# Altium PCB QCLogic Rev A.PcbDoc (part 1 of 3) (continued)
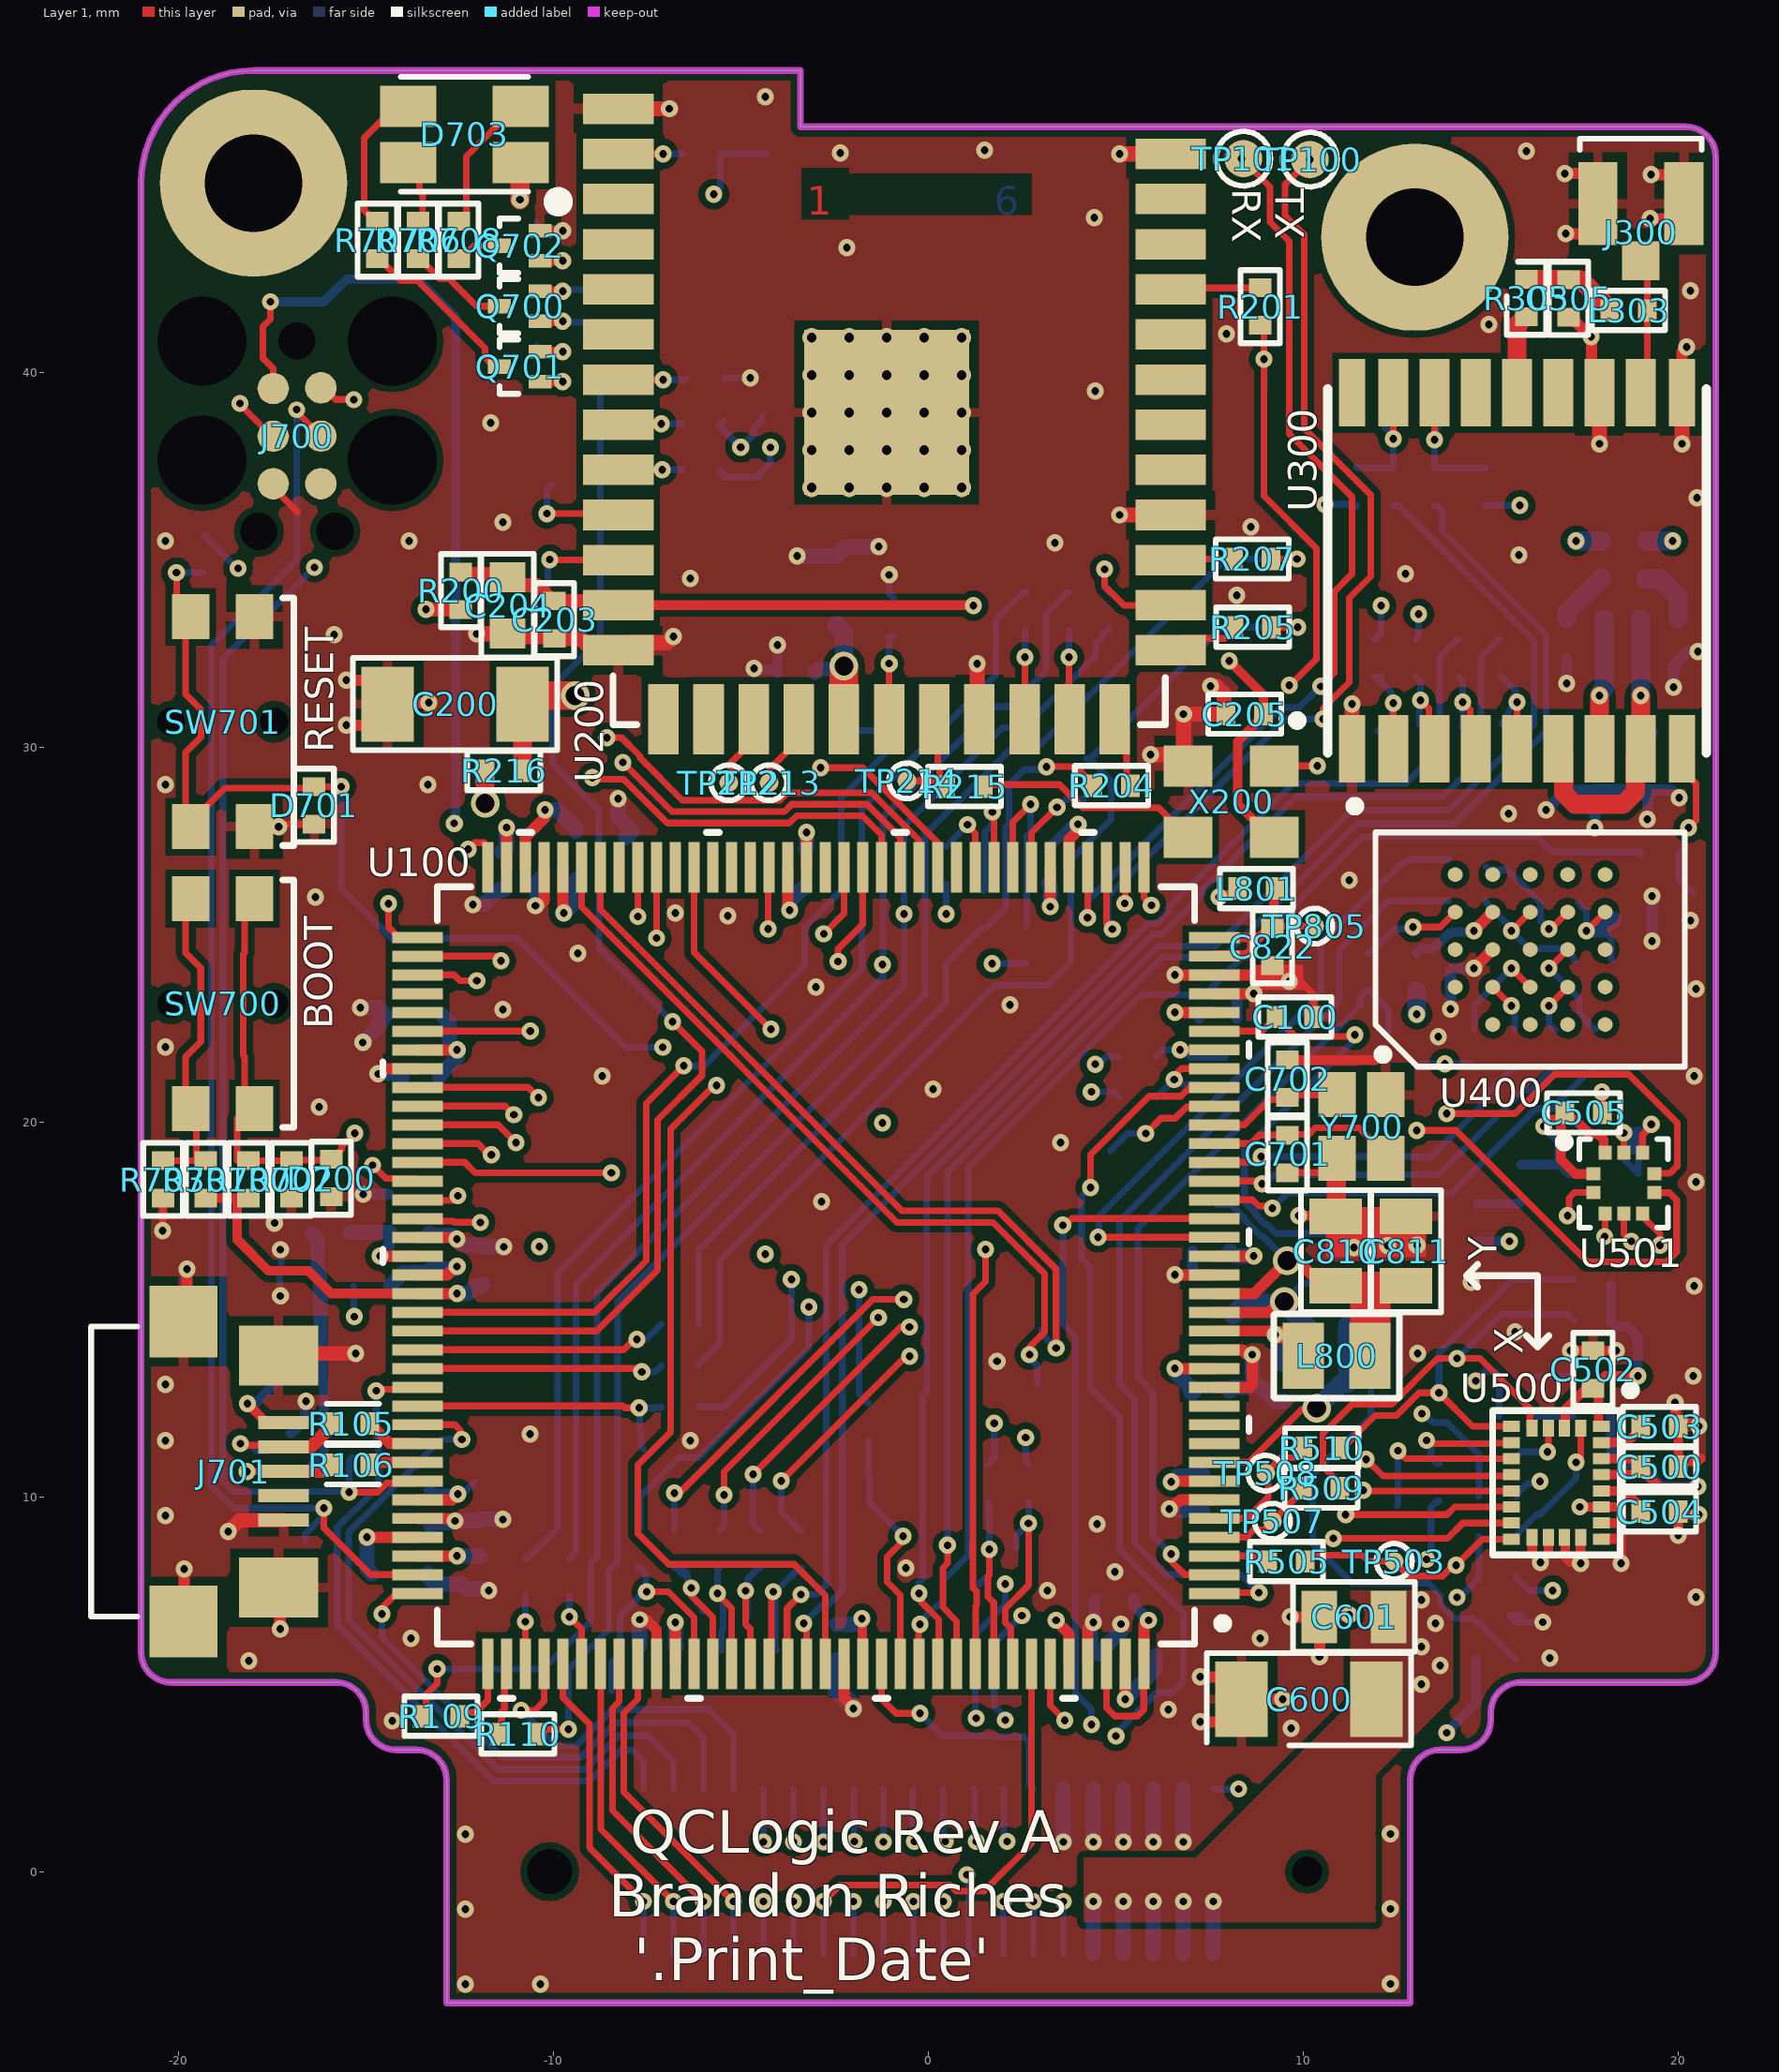
[diagram p0: Layer 1 view]
## Components (designator, comment, footprint, x,y, rotation, side; value= is the part's Value field where it differs from the comment) (continued)
R215 "0R0" "SMD RES 0402" 0.964,28.949 r180 top
R216 "0R0" "SMD RES 0402" -11.325,29.375 r0 top
R300 "0R0" "SMD RES 0402" 17.975,35 r270 bottom
R302 "NNP" "SMD RES 0402" 19.125,35 r270 bottom
R303 "2.2k" "SMD RES 0402" 14.851,36.95 r90 bottom
R304 "2.2k" "SMD RES 0402" 11.425,36.95 r90 bottom
R305 "10" "SMD RES 0402" 15.95,41.975 r90 top
R400 "10K" "SMD RES 0402" 17.725,24.325 r180 bottom
R401 "10K" "SMD RES 0402" 16.825,25.85 r180 bottom
R402 "0R0" "SMD RES 0402" 15.634,21.95 r90 bottom
R403 "0R0" "SMD RES 0402" 12.85,24 r270 bottom
R404 "0R0" "SMD RES 0402" 17.8,21.975 r90 bottom
R405 "0R0" "SMD RES 0402" 16.717,21.95 r90 bottom
R406 "0R0" "SMD RES 0402" 14.375,25.9 r0 bottom
R407 "0R0" "SMD RES 0402" 14.375,27 r0 bottom
R408 "0R0" "SMD RES 0402" 11.725,24 r90 bottom
R409 "0R0" "SMD RES 0402" 14.55,21.95 r90 bottom
R500 "0R0" "SMD RES 0402" 15.725,13.225 r0 bottom
R501 "0R0" "SMD RES 0402" 15.725,12.15 r0 bottom
R502 "0R0" "SMD RES 0402" -3.383,8.611 r90 bottom
R503 "0R0" "SMD RES 0402" -4.473,8.611 r90 bottom
R504 "0R0" "SMD RES 0402" -5.564,8.611 r90 bottom
R505 "0R0" "SMD RES 0402" 9.55,8.275 r0 top
R506 "0R0" "SMD RES 0402" -6.654,8.611 r90 bottom
R507 "0R0" "SMD RES 0402" 15.189,8.947 r0 bottom
R508 "0R0" "SMD RES 0402" 15.189,11.076 r0 bottom
R509 "0R0" "SMD RES 0402" 10.476,10.237 r0 top
R510 "0R0" "SMD RES 0402" 10.493,11.301 r0 top
R511 "0R0" "SMD RES 0402" 1.577,10.36 r90 bottom
R512 "0R0" "SMD RES 0402" 2.677,10.36 r90 bottom
R513 "100k" "SMD RES 0402" 17.707,14.707 r0 bottom
R514 "100k" "SMD RES 0402" 17.707,15.796 r0 bottom
R515 "100k" "SMD RES 0402" 13.618,10.389 r270 bottom
R516 "100k" "SMD RES 0402" 12.504,9.271 r270 bottom
R517 "2.2k" "SMD RES 0402" 15.189,7.882 r180 bottom
R518 "2.2k" "SMD RES 0402" 15.189,10.012 r180 bottom
R519 "0R0" "SMD RES 0402" -7.744,8.611 r90 bottom
R520 "0R0" "SMD RES 0402" -1.6,12 r90 bottom
R521 "0R0" "SMD RES 0402" -6.625,12.4 r0 bottom
R522 "0R0" "SMD RES 0402" 5.591,20.653 r180 bottom
R523 "0R0" "SMD RES 0402" 5.591,21.742 r180 bottom
R524 "0R0" "SMD RES 0402" 14.636,17.323 r90 bottom
R700 "NNP" "SMD RES 0402" -18.134,18.466 r90 top
R701 "0R0" "SMD RES 0402" -19.277,18.466 r90 top
R702 "100k" "SMD RES 0402" -16.992,18.466 r270 top
R703 "NNP" "SMD RES 0402" -20.419,18.466 r270 top
R704 "0R0" "SMD RES 0402" -19.327,35.154 r90 bottom
R705 "0R0" "SMD RES 0402" -16.746,13.248 r0 bottom
R706 "39" "SMD RES 0402" -13.612,43.525 r90 top
R707 "39" "SMD RES 0402" -14.7,43.525 r90 top
R708 "220" "SMD RES 0402" -12.525,43.525 r90 top
R709 "100k" "SMD RES 0402" -9.05,41.8 r90 bottom
R710 "100k" "SMD RES 0402" -10.45,40.2 r90 bottom
R711 "100k" "SMD RES 0402" -10.45,43.5 r90 bottom
R800 "0R0" "SMD RES 0402" 10.7,14.575 r180 bottom
R801 "0R0" "SMD RES 0402" -15.92,17.037 r180 bottom
R802 "0R0" "SMD RES 0402" -14.831,15.615 r180 bottom
SW700 "436331045822" "BUTTON 436331045822" -18.824,23.158 r270 top
SW701 "436331045822" "BUTTON 436331045822" -18.824,30.676 r270 top
TP100 "TESTPOINT SMD" "TESTPOINT 1mm DIA" 10.175,45.675 r90 top
TP101 "TESTPOINT SMD" "TESTPOINT 1mm DIA" 8.4,45.7 r90 top
TP200 "TESTPOINT SMD" "TESTPOINT 0.5mm DIA" -4.325,45.825 r270 bottom
TP201 "TESTPOINT SMD" "TESTPOINT 0.5mm DIA" 8.884,35.02 r270 bottom
TP202 "TESTPOINT SMD" "TESTPOINT 0.5mm DIA" 0.917,31.041 r270 bottom
TP203 "TESTPOINT SMD" "TESTPOINT 0.5mm DIA" -2.05,30.475 r270 bottom
TP204 "TESTPOINT SMD" "TESTPOINT 0.5mm DIA" -8.75,38.696 r270 bottom
TP205 "TESTPOINT SMD" "TESTPOINT 0.5mm DIA" 8.959,39.437 r270 bottom
TP206 "TESTPOINT SMD" "TESTPOINT 0.5mm DIA" 2.575,31.486 r270 bottom
TP207 "TESTPOINT SMD" "TESTPOINT 0.5mm DIA" 2.55,29.4 r270 bottom
TP208 "TESTPOINT SMD" "TESTPOINT 0.5mm DIA" 8.838,33.2 r270 bottom
TP209 "TESTPOINT SMD" "TESTPOINT 0.5mm DIA" 3.75,31.718 r270 bottom
TP210 "TESTPOINT SMD" "TESTPOINT 0.5mm DIA" -4.525,37.2 r270 bottom
TP211 "TESTPOINT SMD" "TESTPOINT 0.5mm DIA" -4.425,38.825 r270 bottom
TP212 "TESTPOINT SMD" "TESTPOINT 0.5mm DIA" -5.325,29.05 r270 top
TP213 "TESTPOINT SMD" "TESTPOINT 0.5mm DIA" -4.25,29.05 r270 top
TP214 "TESTPOINT SMD" "TESTPOINT 0.5mm DIA" -0.575,29.1 r270 top
TP215 "TESTPOINT SMD" "TESTPOINT 0.5mm DIA" -10.125,36.925 r90 bottom
TP216 "TESTPOINT SMD" "TESTPOINT 0.5mm DIA" -10.15,34.275 r90 bottom
TP217 "TESTPOINT SMD" "TESTPOINT 1mm DIA" -4.55,42.15 r90 bottom
TP300 "TESTPOINT SMD" "TESTPOINT 0.5mm DIA" 13.65,39.125 r90 bottom
TP301 "TESTPOINT SMD" "TESTPOINT 0.5mm DIA" 12.175,39.075 r90 bottom
TP302 "TESTPOINT SMD" "TESTPOINT 0.5mm DIA" 12,30.425 r90 bottom
TP303 "TESTPOINT SMD" "TESTPOINT 0.5mm DIA" 13.1,30.6 r90 bottom
TP304 "TESTPOINT SMD" "TESTPOINT 0.5mm DIA" 15.3,30.625 r90 bottom
TP305 "TESTPOINT SMD" "TESTPOINT 0.5mm DIA" 14.225,30.55 r90 bottom
TP306 "TESTPOINT SMD" "TESTPOINT 0.5mm DIA" 20.4,26.1 r90 bottom
TP307 "TESTPOINT SMD" "TESTPOINT 1mm DIA" 18.775,39.45 r90 bottom
TP400 "TESTPOINT SMD" "TESTPOINT 0.5mm DIA" 13.734,19.403 r90 bottom
TP401 "TESTPOINT SMD" "TESTPOINT 0.5mm DIA" 18.975,21.45 r90 bottom
TP402 "TESTPOINT SMD" "TESTPOINT 0.5mm DIA" 15.235,20.219 r180 bottom
TP403 "TESTPOINT SMD" "TESTPOINT 0.5mm DIA" 12.621,25.9 r180 bottom
TP404 "TESTPOINT SMD" "TESTPOINT 0.5mm DIA" 12.725,26.925 r180 bottom
TP405 "TESTPOINT SMD" "TESTPOINT 0.5mm DIA" 12.275,22.425 r180 bottom
TP406 "TESTPOINT SMD" "TESTPOINT 0.5mm DIA" 13.038,21.45 r180 bottom
TP407 "TESTPOINT SMD" "TESTPOINT 0.5mm DIA" 19.25,22.725 r180 bottom
TP500 "TESTPOINT SMD" "TESTPOINT 0.5mm DIA" -4.05,5.925 r0 bottom
TP501 "TESTPOINT SMD" "TESTPOINT 0.5mm DIA" -4.85,6.775 r0 bottom
TP502 "TESTPOINT SMD" "TESTPOINT 0.5mm DIA" -5.525,5.9 r0 bottom
TP503 "TESTPOINT SMD" "TESTPOINT 0.5mm DIA" 12.423,8.28 r180 top
TP504 "TESTPOINT SMD" "TESTPOINT 0.5mm DIA" -6.025,6.95 r0 bottom
TP505 "TESTPOINT SMD" "TESTPOINT 0.5mm DIA" 3.025,14.475 r0 bottom
TP506 "TESTPOINT SMD" "TESTPOINT 0.5mm DIA" 2.9,13 r0 bottom
TP507 "TESTPOINT SMD" "TESTPOINT 0.5mm DIA" 9.175,9.35 r180 top
TP508 "TESTPOINT SMD" "TESTPOINT 0.5mm DIA" 8.999,10.633 r180 top
TP509 "TESTPOINT SMD" "TESTPOINT 0.5mm DIA" 1.358,7.675 r0 bottom
TP510 "TESTPOINT SMD" "TESTPOINT 0.5mm DIA" 2.35,8.65 r0 bottom
TP511 "TESTPOINT SMD" "TESTPOINT 1mm DIA" -19.925,6.15 r0 bottom
TP512 "TESTPOINT SMD" "TESTPOINT 0.5mm DIA" -8.45,4.825 r0 bottom
TP513 "TESTPOINT SMD" "TESTPOINT 0.5mm DIA" -1.575,10.238 r0 bottom
TP514 "TESTPOINT SMD" "TESTPOINT 0.5mm DIA" -7.6,11.275 r0 bottom
TP515 "TESTPOINT SMD" "TESTPOINT 0.5mm DIA" 7.275,20.95 r0 bottom
TP516 "TESTPOINT SMD" "TESTPOINT 0.5mm DIA" 7.925,21.725 r0 bottom
TP517 "TESTPOINT SMD" "TESTPOINT 0.5mm DIA" -6.175,29.15 r0 bottom
TP700 "TESTPOINT SMD" "TESTPOINT 1mm DIA" 10.65,15.85 r90 bottom
TP701 "TESTPOINT SMD" "TESTPOINT 1mm DIA" -15.375,11.05 r0 bottom
TP702 "TESTPOINT SMD" "TESTPOINT 1mm DIA" 4.85,19.225 r90 bottom
TP703 "TESTPOINT SMD" "TESTPOINT 1mm DIA" -16.625,8.825 r0 bottom
TP704 "TESTPOINT SMD" "TESTPOINT 1mm DIA" 13.25,15.226 r90 bottom
TP800 "TESTPOINT SMD" "TESTPOINT 1mm DIA" -10.075,18.575 r90 bottom
TP801 "TESTPOINT SMD" "TESTPOINT 0.5mm DIA" 11.175,13.019 r90 bottom
TP802 "TESTPOINT SMD" "TESTPOINT 0.5mm DIA" 7.675,17.8 r90 bottom
TP803 "TESTPOINT SMD" "TESTPOINT 0.5mm DIA" -12.1,10.4 r90 bottom
TP804 "TESTPOINT SMD" "TESTPOINT 0.5mm DIA" -16.216,14.613 r90 bottom
TP805 "TESTPOINT SMD" "TESTPOINT 0.5mm DIA" 10.3,25.225 r90 top
U100 "STM32H735ZGT6" "LQFP-144 20x20" -3,16.175 r90 top locked
U200 "ATWIN3400" ATWINC3400-MR210CA -1.111,38.927 r90 top locked
U300 "MAX-M8C" MAX-M8 15.7,34.7 r270 top locked
U400 "S25FL256SAGBHV200" "TFBGA-24 8x6" 16.05,24.6 r90 top
U500 "LSM9DS1" LGA-24 16.75,10.375 r270 top
U501 "LPS22HH" LGA-10 18.545,18.364 r0 top
X200 "32.768KHz XO" "XTAL OSC 32.768K CMOS" 8.08,28.55 r180 top
Y700 "JXS22-WA 20MHz" "XTAL JXS22-WA" 11.55,19.875 r270 top

## Footprints (in the part's own frame and the unit in brackets; to place one, negate y for a bottom-side part, rotate by r counter-clockwise, add the part's x,y. Pads: shape width x height; smd on the part's side, far side on the other; paste and mask are expansions set on the pad)
ATWINC3400-MR210CA [mm]
  rect 0.813x1.88 smd: 1(8.103,7.159) 2(6.899,7.159) 3(5.695,7.159) 4(4.491,7.159) 5(3.287,7.159) 6(2.083,7.159) 7(0.879,7.159) 8(-0.325,7.159) 9(-1.529,7.159) 10(-2.733,7.159) 11(-3.937,7.159) 12(-5.141,7.159) 13(-6.345,7.159) 25(-6.345,-7.573) 26(-5.141,-7.573) 27(-3.937,-7.573) 28(-2.733,-7.573) 29(-1.529,-7.573) 30(-0.325,-7.573) 31(0.879,-7.573) 32(2.083,-7.573) 33(3.287,-7.573) 34(4.491,-7.573) 35(5.695,-7.573) 36(6.899,-7.573)
  rect 1.88x0.813 smd: 14(-8.184,5.955) 15(-8.184,4.751) 16(-8.184,3.547) 17(-8.184,2.343) 18(-8.184,1.139) 19(-8.184,-0.065) 20(-8.184,-1.269) 21(-8.184,-2.473) 22(-8.184,-3.677) 23(-8.184,-4.881) 24(-8.184,-6.085)
  rect 4.4x4.4 smd: 37(0,0)
  silkscreen extent -8.33,-7.43 -7.02,7.3, body extent -8.33,-7.43 14.1,7.3, height 2.19
"BUTTON 436331045822" [mm]
  rect 1.2x1 smd: 1(2.8,0.85) 2(2.8,-0.85) 3(-2.8,0.85) 4(-2.8,-0.85)
  round 0.5 hole 0.75 unplated: G(0,1.375) G(0,-1.375)
  silkscreen extent -3.3,1.6 3.3,1.9, body extent -3.2,-2.75 3.2,1.75, height 1.65
"CONN B2B RECPT 40POS SMD GOLD" [mm] "10144517"
  rect 0.5x2 smd: 1(7.6,2.2) 2(7.6,-2.2) 3(6.8,2.2) 4(6.8,-2.2) 5(6,2.2) 6(6,-2.2) 7(5.2,2.2) 8(5.2,-2.2) 9(4.4,2.2) 10(4.4,-2.2) 11(3.6,2.2) 12(3.6,-2.2) 13(2.8,2.2) 14(2.8,-2.2) 15(2,2.2) 16(2,-2.2) 17(1.2,2.2) 18(1.2,-2.2) 19(0.4,2.2) 20(0.4,-2.2) 21(-0.4,2.2) 22(-0.4,-2.2) 23(-1.2,2.2) 24(-1.2,-2.2) 25(-2,2.2) 26(-2,-2.2) 27(-2.8,2.2) 28(-2.8,-2.2) 29(-3.6,2.2) 30(-3.6,-2.2) 31(-4.4,2.2) 32(-4.4,-2.2) 33(-5.2,2.2) 34(-5.2,-2.2) 35(-6,2.2) 36(-6,-2.2) 37(-6.8,2.2) 38(-6.8,-2.2) 39(-7.6,2.2) 40(-7.6,-2.2)
  round 0.5 hole 1.2 unplated: M1(-10.1,0)
  round 0.5 hole 0.8 unplated: M1(10.1,0)
  silkscreen extent -11,-3.1 11,3.1, body extent -10.9,-3 10.9,3, height 3.7
"CONN USB MICRO_AB" [mil]
  rect 13.78x53 smd paste+0: 1(-51.18,98.5) 2(-25.59,98.5) 3(0,98.5) 4(25.59,98.5) 5(51.18,98.5)
  rect 63x83 smd: 6(-122,93.5) 7(122,93.5)
  rect 75x71 smd: 8(-157.5,-6.5) 9(157.5,-6.5)
  silkscreen extent -152,-104 153,-55, body extent -173,-112 173,108, height 108
"DIODE 0402 2-X1SON" [mm]
  rect 0.5x0.6 smd mask+0.05: 1(-0.5,0) 2(0.5,0)
  silkscreen extent -0.98,-0.53 0.98,0.53, body extent -0.5,-0.3 0.5,0.3, height 0.45
"IND SMD 0806" [mm]
  rect 1.1x1.77 smd: 1(-0.885,0) 2(0.885,0)
  silkscreen extent -1.68,-1.13 1.68,1.13, body extent -1,-0.8 1,0.8, height 1
LGA-10 [mm]
  rect 0.375x0.35 smd paste-0.03: 1(-0.813,0.25) 2(-0.813,-0.25) 6(0.813,-0.25) 7(0.813,0.25)
  rect 0.35x0.375 smd paste-0.03: 3(-0.5,-0.813) 4(0,-0.813) 5(0.5,-0.813) 8(0.5,0.813) 9(0,0.813) 10(-0.5,0.813)
  silkscreen extent -1.69,-1.18 1.18,1.2, body extent -1.05,-1.05 1.05,1.05, height 0.81
LGA-24 [mm] "LSM9DS1"
  rect 0.3x0.45 smd paste-0.025 mask+0.1: 1(-1.505,1.2) 6(-1.505,-1.2) 7(-1.075,-1.2) 8(-0.645,-1.2) 9(-0.215,-1.2) 10(0.215,-1.2) 11(0.645,-1.2) 12(1.075,-1.2) 13(1.505,-1.2) 18(1.505,1.2) 19(1.075,1.2) 20(0.645,1.2) 21(0.215,1.2) 22(-0.215,1.2) 23(-0.645,1.2) 24(-1.075,1.2)
  rect 0.45x0.3 smd paste-0.025 mask+0.1: 2(-1.45,0.645) 3(-1.45,0.215) 4(-1.45,-0.215) 5(-1.45,-0.645) 14(1.45,-0.645) 15(1.45,-0.215) 16(1.45,0.215) 17(1.45,0.645)
  silkscreen extent -2.57,-1.7 1.93,2.07, body extent -1.75,-1.5 1.75,1.5, height 1.4
"LQFP-144 20x20" [mm] "STM32H735xG"
  rect 0.3x1.35 smd mask+0.025: 1(-8.75,-10.625) 2(-8.25,-10.625) 3(-7.75,-10.625) 4(-7.25,-10.625) 5(-6.75,-10.625) 6(-6.25,-10.625) 7(-5.75,-10.625) 8(-5.25,-10.625) 9(-4.75,-10.625) 10(-4.25,-10.625) 11(-3.75,-10.625) 12(-3.25,-10.625) 13(-2.75,-10.625) 14(-2.25,-10.625) 15(-1.75,-10.625) 16(-1.25,-10.625) 17(-0.75,-10.625) 18(-0.25,-10.625) 19(0.25,-10.625) 20(0.75,-10.625) 21(1.25,-10.625) 22(1.75,-10.625) 23(2.25,-10.625) 24(2.75,-10.625) 25(3.25,-10.625) 26(3.75,-10.625) 27(4.25,-10.625) 28(4.75,-10.625) 29(5.25,-10.625) 30(5.75,-10.625) 31(6.25,-10.625) 32(6.75,-10.625) 33(7.25,-10.625) 34(7.75,-10.625) 35(8.25,-10.625) 36(8.75,-10.625) 73(8.75,10.625) 74(8.25,10.625) 75(7.75,10.625) 76(7.25,10.625) 77(6.75,10.625) 78(6.25,10.625) 79(5.75,10.625) 80(5.25,10.625) 81(4.75,10.625) 82(4.25,10.625) 83(3.75,10.625) 84(3.25,10.625) 85(2.75,10.625) 86(2.25,10.625) 87(1.75,10.625) 88(1.25,10.625) 89(0.75,10.625) 90(0.25,10.625) 91(-0.25,10.625) 92(-0.75,10.625) 93(-1.25,10.625) 94(-1.75,10.625) 95(-2.25,10.625) 96(-2.75,10.625) 97(-3.25,10.625) 98(-3.75,10.625) 99(-4.25,10.625) 100(-4.75,10.625) 101(-5.25,10.625) 102(-5.75,10.625) 103(-6.25,10.625) 104(-6.75,10.625) 105(-7.25,10.625) 106(-7.75,10.625) 107(-8.25,10.625) 108(-8.75,10.625)
  rect 1.35x0.3 smd mask+0.025: 37(10.625,-8.75) 38(10.625,-8.25) 39(10.625,-7.75) 40(10.625,-7.25) 41(10.625,-6.75) 42(10.625,-6.25) 43(10.625,-5.75) 44(10.625,-5.25) 45(10.625,-4.75) 46(10.625,-4.25) 47(10.625,-3.75) 48(10.625,-3.25) 49(10.625,-2.75) 50(10.625,-2.25) 51(10.625,-1.75) 52(10.625,-1.25) 53(10.625,-0.75) 54(10.625,-0.25) 55(10.625,0.25) 56(10.625,0.75) 57(10.625,1.25) 58(10.625,1.75) 59(10.625,2.25) 60(10.625,2.75) 61(10.625,3.25) 62(10.625,3.75) 63(10.625,4.25) 64(10.625,4.75) 65(10.625,5.25) 66(10.625,5.75) 67(10.625,6.25) 68(10.625,6.75) 69(10.625,7.25) 70(10.625,7.75) 71(10.625,8.25) 72(10.625,8.75) 109(-10.625,8.75) 110(-10.625,8.25) 111(-10.625,7.75) 112(-10.625,7.25) 113(-10.625,6.75) 114(-10.625,6.25) 115(-10.625,5.75) 116(-10.625,5.25) 117(-10.625,4.75) 118(-10.625,4.25) 119(-10.625,3.75) 120(-10.625,3.25) 121(-10.625,2.75) 122(-10.625,2.25) 123(-10.625,1.75) 124(-10.625,1.25) 125(-10.625,0.75) 126(-10.625,0.25) 127(-10.625,-0.25) 128(-10.625,-0.75) 129(-10.625,-1.25) 130(-10.625,-1.75) 131(-10.625,-2.25) 132(-10.625,-2.75) 133(-10.625,-3.25) 134(-10.625,-3.75) 135(-10.625,-4.25) 136(-10.625,-4.75) 137(-10.625,-5.25) 138(-10.625,-5.75) 139(-10.625,-6.25) 140(-10.625,-6.75) 141(-10.625,-7.25) 142(-10.625,-7.75) 143(-10.625,-8.25) 144(-10.625,-8.75)
  silkscreen extent -11.55,-11.55 11.55,11.55, body extent -11,-11 11,11, height 1.58
MAX-M8 [mm] "u-blox M8 concurrent GNSS modules"
  rect 1.8x0.7 smd paste-10: 1(4.75,-4.4) 9(4.75,4.4) 10(-4.75,4.4) 18(-4.75,-4.4)
  rect 1.8x0.8 smd paste-10: 2(4.75,-3.3) 3(4.75,-2.2) 4(4.75,-1.1) 5(4.75,0) 6(4.75,1.1) 7(4.75,2.2) 8(4.75,3.3) 11(-4.75,3.3) 12(-4.75,2.2) 13(-4.75,1.1) 14(-4.75,0) 15(-4.75,-1.1) 16(-4.75,-2.2) 17(-4.75,-3.3)
  silkscreen extent -4.85,-5.05 6.37,5.05, body extent -4.7,-5.11 5,4.99, height 2.47
"PLCC-4 LED ASMB-MTB0-0A3A2" [mm]
  rect 1.1x1.5 smd: 1(-0.75,-1.5) 2(-0.75,1.5) 3(0.75,1.5) 4(0.75,-1.5)
  silkscreen extent -1.94,-2.64 1.53,1.7, body extent -1.4,-1.6 1.4,1.6, height 1.9
"SMD CAP 0402" [mm]
  rect 0.5x0.6 smd mask+0.05: 1(-0.5,0) 2(0.5,0)
  silkscreen extent -0.98,-0.53 0.98,0.53, body extent -0.5,-0.25 0.5,0.25, height 0.35
"SMD CAP 0603" [mm]
  rect 0.8x0.95 smd mask+0.05: 1(-0.75,0) 2(0.75,0)
  silkscreen extent -1.38,-0.7 1.38,0.7, body extent -0.8,-0.4 0.8,0.4, height 0.6
"SMD CAP 0805" [mm]
  rect 0.95x1.4 smd mask+0.05: 1(-0.925,0) 2(0.925,0)
  silkscreen extent -1.63,-0.93 1.63,0.93, body extent -1,-0.62 1,0.63, height 0.85
"SMD CAP 1206" [mm]
  rect 1.4x2 smd: 1(-1.8,0) 2(1.8,0)
  silkscreen extent -2.73,-1.23 2.73,1.23, body extent -1.6,-0.8 1.6,0.8, height 1.8
"SMD RES 0402" [mm]
  rect 0.5x0.6 smd mask+0.05: 1(-0.5,0) 2(0.5,0)
  silkscreen extent -0.98,-0.53 0.98,0.53, body extent -0.55,-0.25 0.55,0.25, height 0.32
"SON-6 1.45x1" [mm]
  rect 0.381x0.2 smd paste+0: 1(-0.3,0.5) 2(-0.3,0) 3(-0.3,-0.5) 4(0.3,-0.5) 5(0.3,0) 6(0.3,0.5)
  silkscreen extent -0.6,-0.85 0.6,0.85, body extent -0.5,-0.73 0.5,0.72, height 0.58
SOT-723 [mil]
  rect 14.57x24 smd paste+0: 1(-15.75,-21.5) 2(15.75,-21.5)
  rect 15x24 smd paste+0: 3(0,21.5)
  silkscreen extent -28,1 28,21, body extent -23,-26 24,26, height 24
tag-connect-6 [mil]
  round 39.37 hole 93.5 unplated: 0(0,100) 0(0,-100) 0(125,100) 0(125,-100)
  round 19.68 hole 39 unplated: 0(0,0) 0(200,-40) 0(200,40)
  round 33 smd paste-30: 1(50,-25) 2(49.21,25) 3(100,-25) 4(100,25) 5(150,-25) 6(150,25)
"TESTPOINT 0.5mm DIA" [mm]
  round 0.5 smd paste-10: 1(0,0)
  silkscreen extent -0.47,-0.48 0.47,0.47
"TESTPOINT 1mm DIA" [mm]
  round 1 smd paste-10: 1(0,0)
  silkscreen extent -0.73,-0.73 0.73,0.72
"TFBGA-24 8x6" [mm]
  round 0.4 smd paste+0: A2(-1,2) A3(0,2) A4(1,2) A5(2,2) B1(-2,1) B2(-1,1) B3(0,1) B4(1,1) B5(2,1) C1(-2,0) C2(-1,0) C3(0,0) C4(1,0) C5(2,0) D1(-2,-1) D2(-1,-1) D3(0,-1) D4(1,-1) D5(2,-1) E1(-2,-2) E2(-1,-2) E3(0,-2) E4(1,-2) E5(2,-2)
  silkscreen extent -3.12,-4.13 3.12,4.13, body extent -3,-4 3,4, height 1.2
U.FL [mil]
  rect 39x41 smd: 1(0,61.98)
  rect 41x87 smd paste+0 mask+0: 2(-45.18,1.94) 3(45.18,1.94)
  silkscreen extent -64,-66 64,-55, body extent -59,-61 59,61, height 49
"XTAL JXS22-WA" [mm]
  rect 1.2x1 smd: 1(-0.85,-0.65) 2(0.85,-0.65) 3(0.85,0.65) 4(-0.85,0.65)
  body extent -1.25,-1 1.25,1, height 0.55
"XTAL OSC 32.768K CMOS" [mm]
  rect 1.3x1.1 smd: 1(-1.15,-0.95) 2(1.15,-0.95) 3(1.15,0.95) 4(-1.15,0.95)
  silkscreen extent -1.85,-2.26 -1.65,-2.06, body extent -1.6,-1.25 1.6,1.25, height 1.05

## Part data
C100 C202 C203 C205 C301 C303 C500 C502 C503 C505 C700 C802 C803 C804 C805 C806 C807 C808 C809 C817 C818 C819 C820 C821 C822: library part "CAP MLCC SMD", "CAP CER 0.1UF 25V X7R 0402", 1. Manufacturer=Yageo, 2. Manufacturer Part Number=CC0402KRX7R8BB104, 4. Package=0402, 3. Date Modified=20201122
C200 C600: library part "CAP MLCC SMD", "CAP CER 47UF 10V X5R 1206", 1. Manufacturer="Samsung Electro-Mechanics", 2. Manufacturer Part Number=CL31A476MPHNNNE, 4. Package=1206, 3. Date Modified=20201128
C201 C501 C506 C601 C800 C810 C811: library part "CAP MLCC SMD", "CAP CER 10UF 25V X5R 0805", 1. Manufacturer="Taiyo Yuden", 2. Manufacturer Part Number=TMK212BBJ106KG-T, 4. Package=0805, 3. Date Modified=20201128
C204 C300 C302 C801 C823 C824 C825: library part "CAP MLCC SMD", "CAP CER 4.7UF 16V X7S 0603", 1. Manufacturer="Murata Electronics", 2. Manufacturer Part Number=GRM188C71C475KE21D, 4. Package=0603, 3. Date Modified=20200906
C305 C400 C401 C504: library part "CAP MLCC SMD", "CAP CER 10000PF 16V X7R 0402", 1. Manufacturer="Walsin Technology Corporation", 2. Manufacturer Part Number=0402B103K160CT, 4. Package=0402, 3. Date Modified=20201122
C701 C702: library part "CAP MLCC SMD", "CAP CER 8PF 50V C0G/NP0 0402", 1. Manufacturer="Samsung Electro-Mechanics", 2. Manufacturer Part Number=CL05C080CB5NNNC, 4. Package=0402, 3. Date Modified=20201127
C812: library part "CAP MLCC SMD", "CAP CER 220PF 50V X7R 0402", 1. Manufacturer=Yageo, 2. Manufacturer Part Number=CC0402KRX7R9BB221, 4. Package=0402, 3. Date Modified=20201125
C813 C816: library part "CAP MLCC SMD", "CAP CER 1UF 25V X5R 0402", 1. Manufacturer="Murata Electronics", 2. Manufacturer Part Number=GRT155R61E105KE01D, 4. Package=0402, 3. Date Modified=20200805
C814 C815: library part "CAP MLCC SMD", "CAP CER 2.2UF 16V X6S 0402", 1. Manufacturer="Taiyo Yuden", 2. Manufacturer Part Number=EMK105CC6225MV-F, 4. Package=0402, 3. Date Modified=20200914
D700 D701: library part "DIODE TVS DIODE 5.5V 14V 2X1SON", "DIODE TVS DIODE 5.5V 14V 2X1SON", 1. Manufacturer="Texas Instruments", 2. Manufacturer Part Number=TPD1E10B06DPYR, 3. Date Modified=20200805
D702: library part "DIODE TVS 4CH 5.5V 6SON", "DIODE TVS 4CH 5.5V 6SON", 1. Manufacturer="Texas Instruments", 2. Manufacturer Part Number=TPD4S012DRYR, 3. Date Modified=20200910
D703: library part "LED RGB DIFFUSED 4PLCC SMD", "LED RGB DIFFUSED 4PLCC SMD", 1. Manufacturer="Broadcom Limited", 2. Manufacturer Part Number=ASMB-MTB0-0A3A2, 3. Date Modified=20201125
J300: library part "CONN UMCC MICRO-COAX RECEPTACLE, GEN", "CONN UMCC MICRO-COAX RECEPTACLE, GEN", 1. Manufacturer="TE Connectivity AMP Connectors", 2. Manufacturer Part Number=2337019-1, 3. Date Modified=20201122
J600: library part "CONN B2B RCPT 40POS SMD GOLD", "40 Position Connector Receptacle, Outer Shroud Contacts Surface Mount Gold", 1. Manufacturer="Amphenol ICC (FCI)", 2. Manufacturer Part Number=10144517-041802LF, 3. Date Modified=20201130
J700: "TC2030 PGM PADS", 1. Manufacturer=NA, 2. Manufacturer Part Number=NA
J701: library part "CONN RCPT USB2.0 MICRO AB SMD RA", "CONN RCPT USB2.0 MICRO AB SMD RA", 1. Manufacturer="Hirose Electric Co Ltd", 2. Manufacturer Part Number=ZX62-AB-5PA(31), 3. Date Modified=20200821
L300 L301 L302 L304 L305 L306 L307 L308 L309 L500 L501 L502 L801: library part INDUCTOR, "FERRITE BEAD 1 KOHM 0402 1LN", 1. Manufacturer="Murata Electronics", 2. Manufacturer Part Number=BLM15HD102SN1D, 3. Date Modified=20201122
L303: library part INDUCTOR, "IND 27NH 350MA 460 MOHM", 1. Manufacturer="Murata Electronics", 2. Manufacturer Part Number=LQG15HS27NJ02D, 3. Date Modified=20201122
L800: library part INDUCTOR, "IND FIXED 2.2UH 1.2A 138 MOHM", 1. Manufacturer="Murata Electronics", 2. Manufacturer Part Number=LQM2MPN2R2NG0L, 3. Date Modified=20201125
Q700 Q701 Q702: library part "TRANS FET N-CH 20V 0.1A SOT-723 RUM001L02T2CL", "TRANS FET N-CH 20V 0.1A SOT-723 RUM001L02T2CL", 1. Manufacturer="Rohm Semiconductor", 2. Manufacturer Part Number=RUM001L02T2CL, 3. Date Modified=20200911
R100 R101 R102 R103 R104 R105 R106 R107 R108 R109 R110 R111 R200 R201 R202 R203 R204 R205 R206 R207 R208 R209 R210 R211 R212 R215 R216 R300 R302 R402 R403 R404 R405 R406 R407 R408 R409 R500 R501 R502 R503 R504 R505 R506 R507 R508 R509 R510 R511 R512 R519 R520 R521 R522 R523 R524 R701 R703 R704 R705 R800 R801 R802: library part "RES SMD", "RES SMD 0 OHM JUMPER 1/16W 0402", 1. Manufacturer=Yageo, 2. Manufacturer Part Number=RC0402FR-070RL, 4. Package=0402, 3. Date Modified=20201122
R112: library part "RES SMD", "RES SMD 1M OHM 1% 1/16W 0402", 1. Manufacturer=Yageo, 2. Manufacturer Part Number=RC0402FR-071ML, 4. Package=0402, 3. Date Modified=20201127
R113 R213 R214 R513 R514 R515 R516 R700 R702 R709 R710 R711: library part "RES SMD", "RES SMD 100K OHM 1% 1/16W 0402", 1. Manufacturer=Yageo, 2. Manufacturer Part Number=RC0402FR-07100KL, 4. Package=0402, 3. Date Modified=20201126
R303 R304 R517 R518: library part "RES SMD", "RES SMD 2.2K OHM 1% 1/16W 0402", 1. Manufacturer=Yageo, 2. Manufacturer Part Number=RC0402FR-072K2L, 4. Package=0402, 3. Date Modified=20201126
R305: library part "RES SMD", "RES SMD 10 OHM 5% 1/16W 0402", 1. Manufacturer=Yageo, 2. Manufacturer Part Number=RC0402JR-0710RL, 4. Package=0402, 3. Date Modified=20200906
R400 R401: library part "RES SMD", "RES SMD 10K OHM 1% 1/16W 0402", 1. Manufacturer=Yageo, 2. Manufacturer Part Number=RC0402FR-0710KL, 4. Package=0402, 3. Date Modified=20201126
R706 R707: library part "RES SMD", "RES SMD 39 OHM 5% 1/16W 0402", 1. Manufacturer=Yageo, 2. Manufacturer Part Number=RC0402JR-0739RL, 4. Package=0402, 3. Date Modified=20201125
R708: library part "RES SMD", "RES SMD 220 OHM 5% 1/16W 0402", 1. Manufacturer=Yageo, 2. Manufacturer Part Number=RC0402JR-07220RL, 4. Package=0402, 3. Date Modified=20201125
SW700 SW701: library part "SWITCH R/A TACTILE SPST-NO 0.05A 12V", "SWITCH R/A TACTILE SPST-NO 0.05A 12V", 1. Manufacturer="Würth Elektronik", 2. Manufacturer Part Number=436331045822, 3. Date Modified=20201127
TP100 TP101 TP200 TP201 TP202 TP203 TP204 TP205 TP206 TP207 TP208 TP209 TP210 TP211 TP212 TP213 TP214 TP215 TP216 TP217 TP300 TP301 TP302 TP303 TP304 TP305 TP306 TP307 TP400 TP401 TP402 TP403 TP404 TP405 TP406 TP407 TP500 TP501 TP502 TP503 TP504 TP505 TP506 TP507 TP508 TP509 TP510 TP511 TP512 TP513 TP514 TP515 TP516 TP517 TP700 TP701 TP702 TP703 TP704 TP800 TP801 TP802 TP803 TP804 TP805: library part "TESTPOINT PAD", "TESTPOINT SMD PAD"
U100: library part "IC MCU STM32H735ZG Arm M7", "ARM® Cortex®-M7 STM32H7 Microcontroller IC 32-Bit 550MHz 1MB (1M x 8) FLASH 144 LQFP 20x20", 1. Manufacturer=STMicroelectronics, 2. Manufacturer Part Number=STM32H735ZGT6, 3. Date Modified=20201126
U200: library part "MODULE WIFI 802_11BGN CHIP SMD", "Bluetooth, WiFi 802.11b/g/n, Bluetooth v5.0 Transceiver Module 2.412GHz ~ 2.472GHz Integrated, Chip Surface Mount", 1. Manufacturer="Microchip Technology", 2. Manufacturer Part Number=ATWINC3400-MR210CA131-T, 3. Date Modified=20201122
U300: library part "MODULE RF RCVR GNSS/GPS 1.575GHZ 18LCC", "MODULE RF RCVR GNSS/GPS 1.575GHZ 18LCC", 1. Manufacturer=U-Blox, 2. Manufacturer Part Number=MAX-M8C-0, 3. Date Modified=20201122
U400: library part "IC FLASH 256M SPI 133MHZ 24BGA", "IC FLASH 256M SPI 133MHZ 24BGA", 1. Manufacturer="Cypress Semiconductor Corp", 2. Manufacturer Part Number=S25FL256SAGBHV200, 3. Date Modified=20200909
U500: library part "IC IMU ACCEL/GYRO/MAG I2C/SPI 24LGA LSM9DS1", "IMU ACCEL/GYRO/MAG I2C/SPI 24LGA LSM9DS1", 1. Manufacturer=STMicroelectronics, 2. Manufacturer Part Number=LSM9DS1TR, 3. Date Modified=20201122
U501: library part "IC BARO PRESSURE SENSOR LPS22HH", "IC BARO PRESSURE SENSOR LPS22HH", 1. Manufacturer=STMicroelectronics, 2. Manufacturer Part Number=LPS22HHTR, 3. Date Modified=20201122
X200: library part "OSC XO 32.768KHZ HCMOS SMD", "OSC XO 32.768KHZ HCMOS SMD", 1. Manufacturer="Jauch Quartz", 2. Manufacturer Part Number="O 0,032768-JO32-G-1V3-1-T1-LF", 3. Date Modified=20201122
Y700: library part "XTAL JXS22-WA 20MHz 10PF SMD", "XTAL JXS22-WA 20MHz 10PF SMD", 1. Manufacturer="Jauch Quartz", 2. Manufacturer Part Number="Q 20,0-JXS22-10-10/15-T1-FU-WA-LF", 3. Date Modified=20200811

## Free pads (board coordinates)
  round 5 hole 2.6: M(-18,45.05) M(12.976,43.6)

## Via types
v1: diameter 0.457, hole 0.203, Layer 1 to Layer 6, tented both sides, 389 vias
v2: diameter 0.45, hole 0.2, Layer 1 to Layer 6, tented both sides, 52 vias
v3: diameter 0.508, hole 0.254, Layer 1 to Layer 6, 25 vias
v4: diameter 0.762, hole 0.508, Layer 1 to Layer 6, tented both sides, 6 vias

## Nets (pads, with @x,y where several pads share a name; then routed paths per layer and width w, separated by ;. In a path a pad name is that pad's centre, name@x,y a point inside that pad or via, vN(x,y) a via of type N, cw(c..) or ccw(c..) an arc to the next point about the centre after c; other vN are vias at no path point)
ATWIN_BT_RXD: R210.2 U200.9 | length 1.7
  Layer 1 w0.178: U200.9@-8.27,37.398 -8.268,37.4 v1(-7.1,37.4)
  Layer 6 w0.178: v1(-7.1,37.4) -6.573,37.4 R210.2@-6.571,37.398
ATWIN_BT_TXD: R209.2 U200.8 | length 1.7
  Layer 1 w0.178: U200.8@-8.27,38.602 -7.148,38.602 v1(-7.125,38.625)
  Layer 6 w0.178: v1(-7.125,38.625) -6.594,38.625 R209.2@-6.571,38.602
ATWIN_CHIP_EN: R211.1 R214.1 U200.19 X200.1 | length 16.8
  Layer 1 w0.178: U200.19@-1.047,30.743 v1(-1.047,32.228) ; X200.1@9.23,29.5 v1@10.375,29.5
  Layer 4 w0.114: v1(-1.047,32.228) 0.931,30.25 9.625,30.25 v1(10.375,29.5)
  Layer 6 w0.178: R211.1@-1.047,31.447 v1(-1.047,32.228) -1.047,32.85 -0.984,32.912 R214.1@-0.922,32.975
ATWIN_IRQN: R201.2 U200.33 | length 2.4
  Layer 1 w0.114: U200.33@6.462,42.214 U200.33@6.493,42.183
  Layer 1 w0.178: U200.33@6.462,42.214 6.498,42.25 R201.2@8.85,42.25
ATWIN_RESETN: R212.1 R213.1 U200.7 | length 2.5
  Layer 1 w0.178: U200.7@-8.27,39.806 -8.265,39.8 v1(-7.075,39.8)
  Layer 6 w0.178: R212.1@-7.75,39.8 v1(-7.075,39.8) -6.475,39.8 R213.1@-6.45,39.825
ATWIN_SDIO_CLK: R208.1 U200.22 | length 2.4
  Layer 1 w0.178: U200.22@2.565,30.743 2.575,30.753 v1(2.575,32.4)
  Layer 6 w0.178: v1(2.575,32.4) R208.1@2.575,33.125
ATWIN_SDIO_CMD/SPI_SCLK: R203.2 U200.23 | length 2.4
  Layer 1 w0.178: v1(3.75,32.4) 3.75,30.761 U200.23@3.769,30.743
  Layer 6 w0.178: v1(3.75,32.4) R203.2@3.75,33.125
ATWIN_SDIO_DAT0/SPI_MISO: R204.2 U200.24 | length 1.9
  Layer 1 w0.178: U200.24@4.973,30.743 5.291,30.425 5.291,29.067 R204.2@5.382,28.975
ATWIN_SDIO_DAT1/SPI_CS: R205.2 U200.25 | length 2
  Layer 1 w0.178: U200.25@6.462,32.582 6.779,32.899 7.9,32.899 8.15,33.15 R205.2@8.15,33.2
ATWIN_SDIO_DAT2/SPI_MOSI: R206.2 U200.26 | length 3.3
  Layer 1 w0.178: v1(4.702,34.748) 4.702,34.298 5.215,33.786 U200.26@6.462,33.786 U200.26@6.615,33.939
  Layer 6 w0.178: v1(4.702,34.748) 4.702,34.248 R206.2@4.825,34.125
ATWIN_SDIO_DAT3: R207.1 U200.27 | length 1.7
  Layer 1 w0.178: U200.27@6.462,34.99 6.492,35.02 R207.1@8.136,35.02
ATWIN_SER_CFG: R202.1 U200.2 | length 1.7
  Layer 1 w0.178: U200.2@-8.27,45.826 v1(-7.075,45.826)
  Layer 6 w0.178: v1@-7.075,45.825 R202.1@-6.55,45.825
BARO_CS: R520.1 TP513.1 U100.131 | length 6.7
  Layer 1 w0.178: U100.131@-0.75,5.55 -0.75,7.384 -1.1,7.734 -1.1,8.4 -0.675,8.825 v1(-0.675,8.95)
  Layer 6 w0.178: R520.1@-1.6,11.5 -1.6,10.65 -1.575,10.625 -1.575,9.85 v1(-0.675,8.95)
BARO_INT: R519.1 TP512.1 U100.120 | length 6.7
  Layer 1 w0.178: v1(-7.516,7.468) -6.938,7.468 -6.25,6.779 U100.120@-6.25,5.55
  Layer 6 w0.178: TP512.1@-8.45,4.825 -8.45,5.575 -8.225,5.8 -8.225,6.826 -7.583,7.468 v1(-7.516,7.468) v1@-7.533,7.485 ; R519.1@-7.744,8.111 -7.694,8.111 -7.533,7.95 v1@-7.533,7.485 ; v1@-7.457,7.485 v1@-7.533,7.485
BARO_MISO: R523.1 TP516.1 U100.30 | length 2.9
  Layer 1 w0.178: v1(6.713,21.925) U100.30@7.625,21.925
  Layer 6 w0.178: R523.1@6.091,21.742 6.091,21.764 6.252,21.925 v1(6.713,21.925) 6.789,21.925 6.989,21.725 TP516.1@7.925,21.725
BARO_MOSI: R522.1 TP515.1 U100.29 | length 2.8
  Layer 1 w0.178: v1(6.556,21.133) 6.556,21.18 6.531,21.205 6.75,21.425 U100.29@7.625,21.425
  Layer 6 w0.178: R522.1@6.091,20.653 6.091,20.668 v1(6.556,21.133) v1@6.558,21.133 ; v1@6.625,21.2 v1@6.558,21.133 ; TP515.1@7.275,20.95 7.22,21.006 6.759,21.006 6.632,21.133 v1@6.558,21.133
BARO_SCLK: R521.1 TP514.1 U100.98 | length 7.6
  Layer 1 w0.178: U100.98@-13.625,12.425 -8.15,12.425 -8.099,12.375 v1(-7.717,12.375)
  Layer 6 w0.178: TP514.1@-7.6,11.275 -7.661,11.337 -7.661,11.762 -7.7,11.8 -7.7,12.357 -7.682,12.375 -7.15,12.375 R521.1@-7.125,12.4
BLDC_ARM1: J600.34 U100.112 | length 9.9
  Layer 1 w0.178: v2(-10.864,4.308) -10.491,4.308 -10.25,4.55 U100.112@-10.25,5.55
  Layer 6 w0.178: v2(-10.864,4.308) -9.911,3.356 -9.394,3.356 -8.425,4.325 -5.85,4.325 -5.2,3.676 J600.34@-5.2,2.2
BLDC_ARM2: J600.36 U100.108 | length 13.7
  Layer 1 w0.178: v1(-14.575,6.875) -14.575,7.038 -14.219,7.393 -13.656,7.393 U100.108@-13.625,7.425
  Layer 6 w0.178: v1(-14.575,6.875) -14.575,6.253 -11.373,3.051 -9.268,3.051 -8.343,3.975 -6.404,3.975 -6,3.571 J600.36@-6,2.2
BLDC_ARM3: J600.38 U100.99 | length 19.6
  Layer 1 w0.178: U100.99@-13.625,11.925 -12.633,11.925 -12.487,11.779 -12.487,11.575 v1(-12.443,11.532)
  Layer 6 w0.178: v1(-12.443,11.532) -12.997,11.532 -14.354,10.174 -14.354,10.162 -15.146,9.369 -15.159,9.369 -15.465,9.063 -15.465,6.712 -11.478,2.725 -9.162,2.725 -8.262,3.625 -7.47,3.625 -7.134,3.29 -7.134,3.284 -6.8,2.95 J600.38@-6.8,2.2
BLDC_ARM4: J600.40 U100.97 | length 19
  Layer 1 w0.178: v1(-14.729,12.827) -14.685,12.871 -13.679,12.871 U100.97@-13.625,12.925
  Layer 6 w0.178: v1(-14.729,12.827) -14.729,11.555 -14.659,11.484 -14.659,10.288 -15.266,9.681 -15.278,9.681 -15.77,9.189 -15.77,6.586 -11.604,2.42 -9.036,2.42 -8.206,3.25 -7.9,3.25 -7.6,2.95 J600.40@-7.6,2.2
BLDC_BOOTLOADER_RX1: J600.25 U100.57 | length 36.4
  Layer 1 w0.178: v1(-4.275,25.15) -4.275,26.775 U100.57@-4.25,26.8
  Layer 3 w0.114: v1(-4.275,25.15) -5.237,24.188 -5.237,20.804 -5.245,20.796 -5.245,15.854 0.922,9.688 0.922,8.54 0.841,8.459 0.841,2.034 1.687,1.188 1.687,-0.164 1.346,-0.505 1.346,-0.804 0.725,-1.425 -1.375,-1.425 v2(-2,-0.799)
  Layer 6 w0.178: J600.25@-2,-2.2 v2(-2,-0.799)